# Altium PCB PCB1.PcbDoc
Units mil, origin at the board's own origin, x right, y up, seen from the top; angles counter-clockwise.
Board outline 4000.03 x 4245.03 mil, 2 copper layers (Top Layer, Bottom Layer); 64 components, 62 nets, 248 pads, 35 vias.
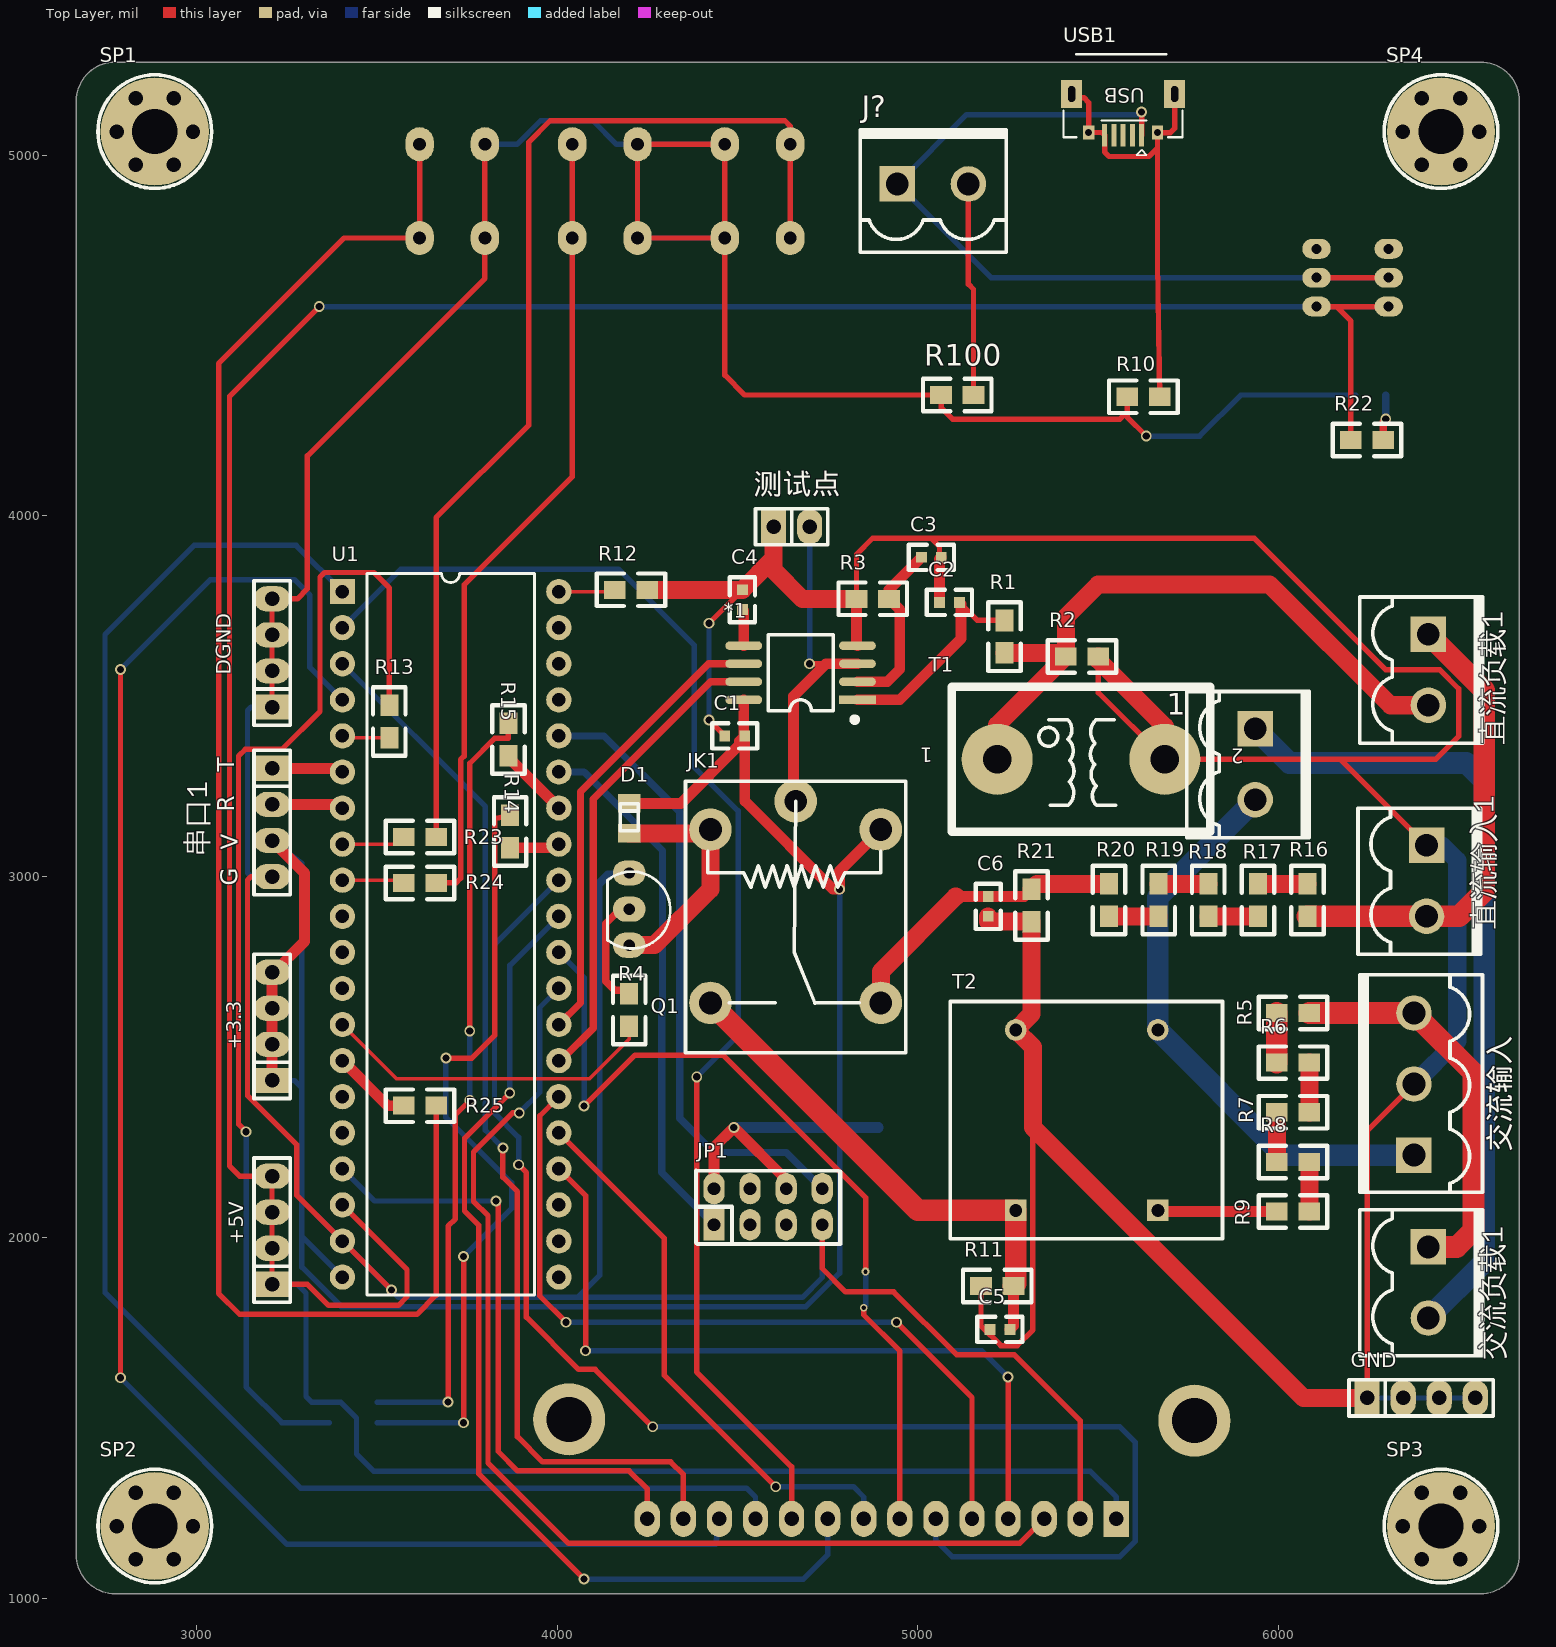
[diagram p0: Top Layer view]
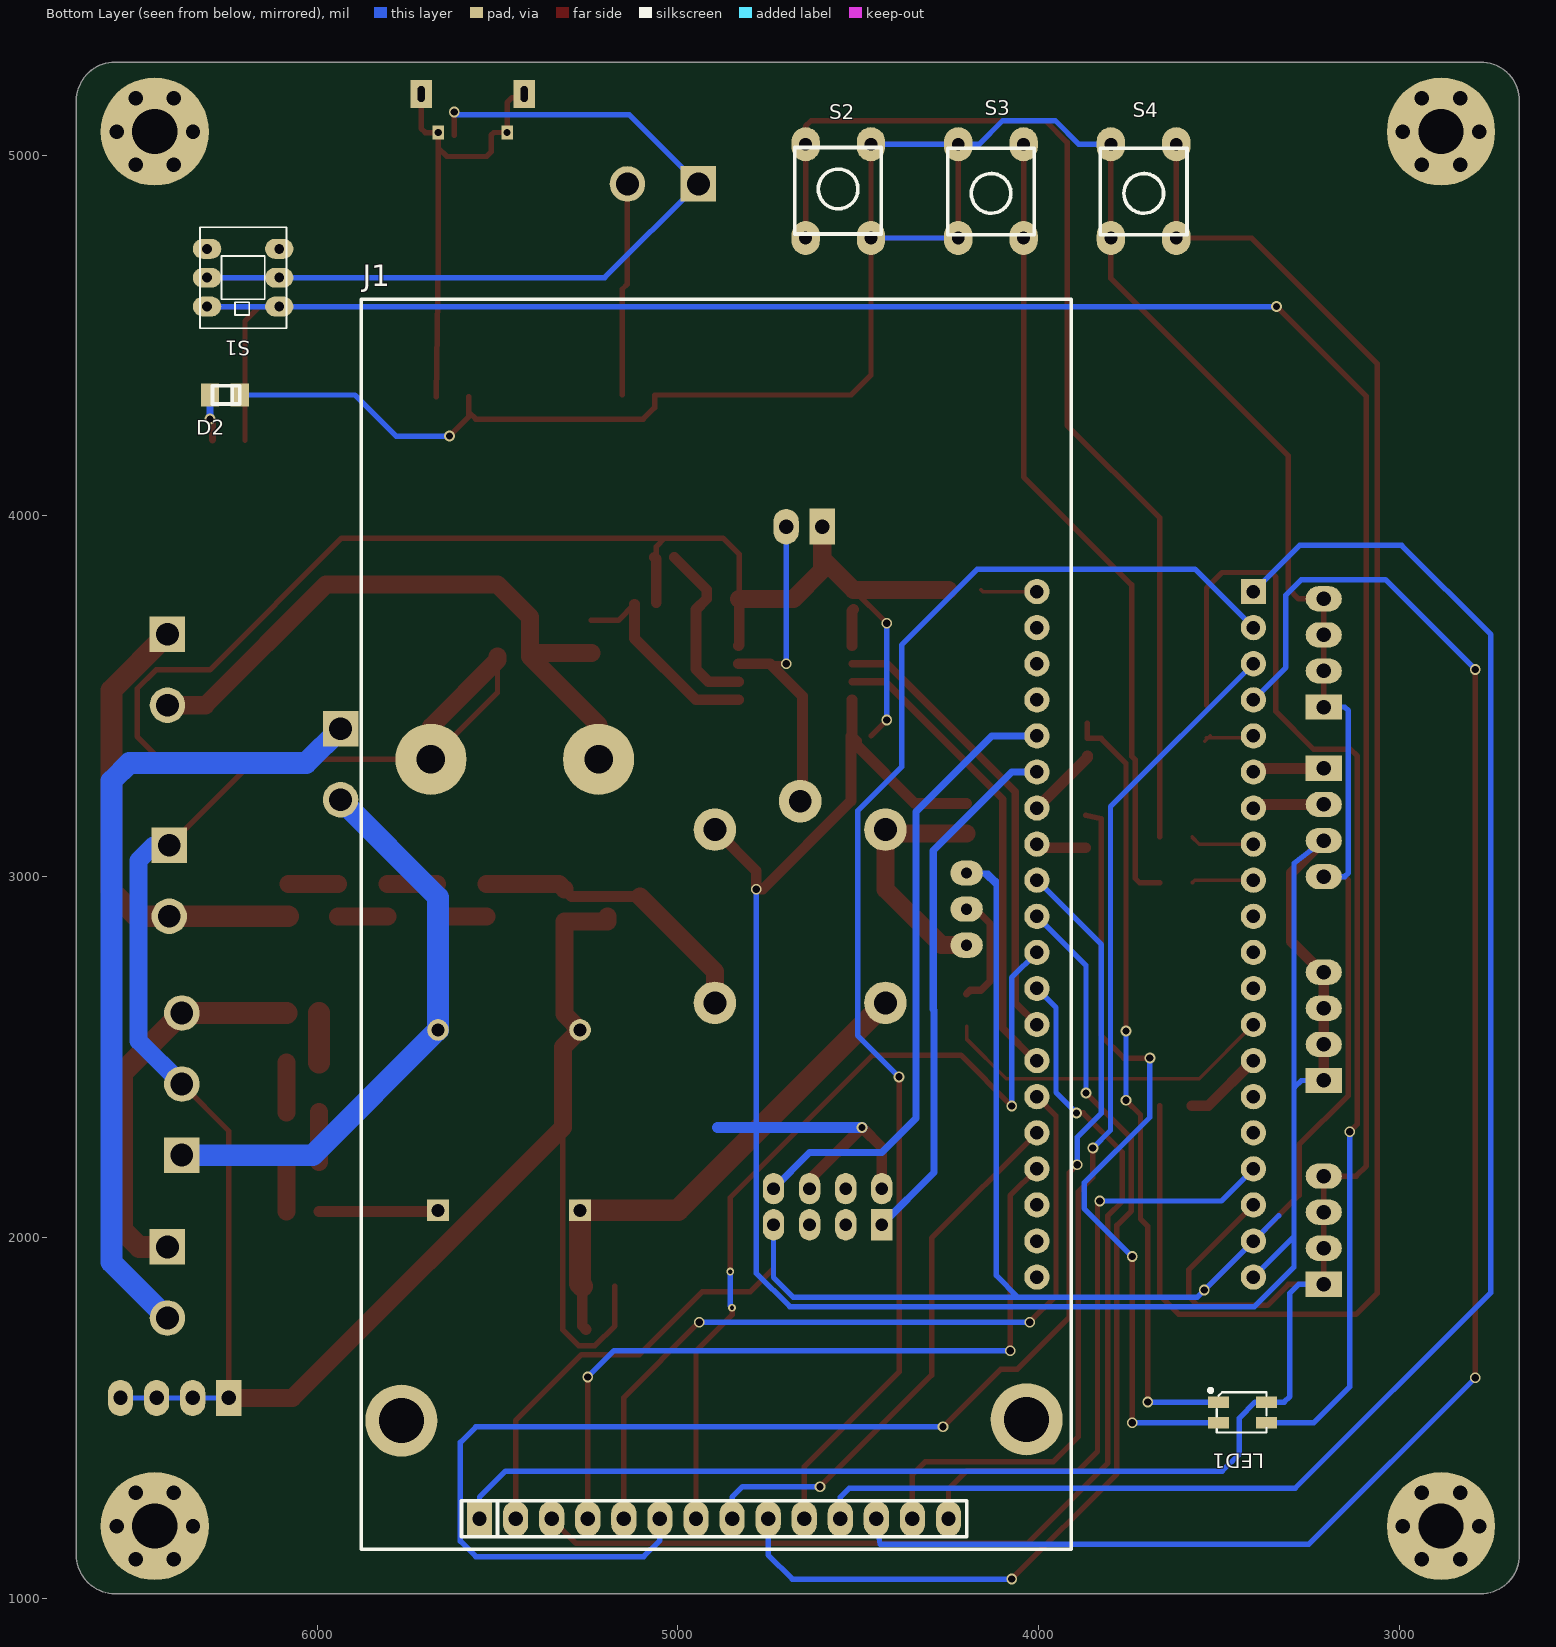
[diagram p1: Bottom Layer view, seen from below]

## Layer stack, top to bottom
Top Solder: solder mask 0.4, Solder Resist, Dk 3.5
Top Layer: signal copper 1.4
Dielectric 1: dielectric 12.6, FR-4, Dk 4.8
Bottom Layer: signal copper 1.4
Bottom Solder: solder mask 0.4, Solder Resist, Dk 3.5

## Board outline
2667.49,1120 2667.49,5150 cw(c2775,5150) 2775,5257.52 6560,5257.52 cw(c6560,5150) 6667.52,5150 6667.52,1120 cw(c6560,1120) 6560,1012.49 2775,1012.49 cw(c2775,1120)

## Design rules (kind name [scope] priority, off if disabled: settings)
Clearance [All] p1: gap=10 ignorepadtopadclearanceinfootprint=FALSE except(0: Arc-Hole Track-Hole SMDPad-Hole THPad-Hole Via-Hole Fill-Hole Poly-Hole Region-Hole Text-Hole)
PolygonConnect [All] p1: connectstyle=Relief reliefconductorwidth=10 reliefentries=4 polygonreliefangle="90 Angle" airgapwidth=10
RoutingVias [All] p1: holewidth=28 width=50 viastyle="Through Hole" minholewidth=28 minwidth=50 maxholewidth=28 maxwidth=50
SolderMaskExpansion [All] p1: expansion=4
Width [All] p1: maxlimit=100 minlimit=10 preferedwidth=15
30 further rules are at their usual default settings.

## Components (designator, comment, footprint, x,y, rotation, side; value= is the part's Value field where it differs from the comment)
1 "导线" KF2EDGK5.0-LI-2P 5935,3311.57 r270 top
*1 "HLW8110" SOP8W_M 4675,3565 r180 top
+3.3 "CON4" sip-4 3210,2435 r90 top
+5V "CON4" sip-4 3210,1870 r90 top
C1 "0.1uf" 0603 4465,3390 r0 top
C2 "330nf" 0603 5115,3760 r180 top
C3 "330nf" 0603 5065,3885 r180 top
C4 "0.1uf" 0603 4513.78,3740 r90 top
C5 "33nf" 0603 5255,1745 r180 top
C6 "33nf" 0603 5195,2945 r270 top
D1 "1N4007" LED_0805 4200,3162 r90 top
D2 "LED" LED_0805 6255,4335 r180 bottom
DGND "CON4" sip-4 3210,3470 r90 top
GND "CON4" sip-4 6245,1555 r0 top
J1 "CON14" 2.8_LCD 4894.33,2535.91 r180 bottom
J? "CON2" KF2EDGK5.0-LI-2P 5041.57,4920 r0 top
JK1 "SRD-05VDC-SL-C" SRD-C_B 4897.44,3130.32 r270 top
JP1 "HEADER 4X2" IDC-8 4435,2035 r0 top
LED1 "RGB-3528" "LED 3528-4Pin" 3435,1515 r180 bottom
Q1 "SS8050" TO92A 4200,3010 r0 top
R1 "100R" 0805 5240,3620 r90 top
R2 "10R" 0805 5500,3610 r180 top
R3 "100R" 0805 4830,3770 r0 top
R4 "510" 0805 4200,2585 r90 top
R5 "20k" 0805 6085,2621.85 r180 top
R6 "20k" 0805 5995,2484.35 r0 top
R7 "20k" 0805 6085,2346.85 r180 top
R8 "20k" 0805 5995,2209.35 r0 top
R9 "20k" 0805 6085,2071.85 r180 top
R10 "0R" 0805 5580,4330 r0 top
R11 "100R" 0805 5175,1865 r0 top
R12 "0R" 0805 4250,3795 r180 top
R13 "510" 0805 3535,3385 r90 top
R14 "510" 0805 3870,3080 r90 top
R15 "310" 0805 3865,3335 r90 top
R16 "20K" 0805 6080,2890 r90 top
R17 "20K" 0805 5942.5,2980 r270 top
R18 "20K" 0805 5805,2890 r90 top
R19 "20K" 0805 5667.5,2980 r270 top
R20 "20K" 0805 5530,2890 r90 top
R21 "1k" 0805 5315,2875 r90 top
R22 "510" 0805 6200,4210 r0 top
R23 "510" 0805 3575,3110 r0 top
R24 "510" 0805 3575,2982.5 r0 top
R25 "510" 0805 3575,2365 r0 top
R100 "0R" 0805 5064.33,4335 r0 top
S1 "SW-DPDT" SWH7*7 6105,4740 r270 bottom
S2 "SW-PB" SW6*6 4646.1,4770 r90 bottom
S3 "SW-PB" SW6*6 4041.95,5029.84 r270 bottom
S4 "SW-PB" SW6*6 3618.9,5029.84 r270 bottom
SP1 "M3铜柱" M3x4+6_N 2885,5065 r0 top
SP2 "M3铜柱" M3x4+6_N 2885,1200 r0 top
SP3 "M3铜柱" M3x4+6_N 6450,1200 r0 top
SP4 "M3铜柱" M3x4+6_N 6450,5065 r0 top
T1 "Current transformer" ZMCT103E 5220,3325 r180 top
T2 "DA101C" ZMPT101B 5468.15,2325 r180 top
U1 "STM32F103C8T6核心板" STM32F103C8T6核心板 3810,2850 r0 top
USB1 "USB-5P" USB-MICRO_A 5568.82,5169.17 r180 top
串口1 "CON4" sip-4 3210,3300 r270 top
交流负载1 "负载" KF2EDGK5.0-LI-2P 6415,1875 r270 top
交流输入 "CON3" KF2EDGK5.0-LI-3P 6375,2425 r90 top
测试点 "测量点" sip-2 4600,3970 r0 top
直流负载1 "负载" KF2EDGK5.0-LI-2P 6415,3573.43 r270 top
直流输入1 "DC-IN" KF2EDGK5.0-LI-2P 6410,2988.43 r270 top

## Footprints (in the part's own frame and the unit in brackets; to place one, negate y for a bottom-side part, rotate by r counter-clockwise, add the part's x,y. Pads: shape width x height; smd on the part's side, far side on the other; paste and mask are expansions set on the pad)
2.8_LCD [mil]
  round 200 hole 125: 0(-872.2,-1043.82) 0(860.87,-1040.31)
  oval 70x100 hole 40: 1(644.33,-1315.91) 2(544.33,-1315.91) 3(444.33,-1315.91) 4(344.33,-1315.91) 5(244.33,-1315.91) 6(144.33,-1315.91) 7(44.33,-1315.91) 8(-55.67,-1315.91) 9(-155.67,-1315.91) 10(-255.67,-1315.91) 11(-355.67,-1315.91) 12(-455.67,-1315.91) 13(-555.67,-1315.91)
  rect 70x100 hole 40: 14(-655.67,-1315.91)
  silkscreen extent -984,-1400 985,2065, body extent -978,-1141 967,-948, height 159
0603 [mil]
  rect 30x30 smd: 1(0,0) 2(55,0)
  silkscreen extent -35,-35 90,35
0805 [mil]
  rect 60x50 smd: 1(0,0) 2(90,0)
  silkscreen extent -50,-45 140,45
IDC-8 [mm]
  rect 1.5x2.2 hole 0.9: 1(0,0)
  oval 1.5x2.2 hole 0.9: 2(0,2.54) 3(2.54,0) 4(2.54,2.54) 5(5.08,0) 6(5.08,2.54) 7(7.62,0) 8(7.62,2.54)
  silkscreen extent -1.27,-1.36 8.88,3.81
KF2EDGK5.0-LI-2P [mm] "立插端子                  淘宝ID:黄晶宝石"
  rect 2.5x2.5 hole 1.6: 1(-2.5,0)
  round 2.5 hole 1.6: 2(2.5,0)
  silkscreen extent -5.12,-4.83 5.17,3.81, body extent -5.04,-4.75 5.04,3.75, height 11.25
KF2EDGK5.0-LI-3P [mm] "立插端子"
  rect 2.5x2.5 hole 1.6: 1(-5,0)
  round 2.5 hole 1.6: 2(0,0) 3(5,0)
  silkscreen extent -7.62,-4.83 7.7,3.81, body extent -7.54,-4.75 7.54,3.75, height 11.25
"LED 3528-4Pin" [mm] "4脚，3528LED                             淘宝ID:黄晶宝石"
  rect 1.5x0.8 smd: 1(-1.689,0.725) 2(-1.689,-0.725) 3(1.689,-0.725) 4(1.689,0.725)
  silkscreen extent -2.37,-1.42 1.69,1.68, body extent -1.19,-1.19 1.2,1.19, height 1.95
LED_0805 [mm]
  rect 1.3x1.6 smd: 1(-1.067,0) 2(1.041,0)
  silkscreen extent -0.89,-0.64 1.02,0.64
M3x4+6_N [mil] "M3铜柱，长：4mm，螺纹长：6mm"
  round 40 hole 40: 1(-106,0) 1(-53,-91.8) 1(-53,91.8) 1(53,-91.8) 1(53,91.8) 1(106,0)
  round 300 hole 125: 1(0,0)
  silkscreen extent -157,-157 157,157, body extent -106,-93 106,93, height 159
sip-2 [mil]
  rect 70x100 hole 40: 1(0,0)
  oval 70x98.42 hole 40: 2(100,0)
  silkscreen extent -50,-50 150,50
sip-4 [mil]
  rect 70x100 hole 40: 1(0,0)
  oval 70x100 hole 40: 2(100,0) 3(200,0) 4(300,0)
  silkscreen extent -50,-50 350,50
SOP8W_M [mm] "5.3*8.3*1.8mm（长宽高）  淘宝ID:黄晶宝石"
  rect 2.6x0.6 smd: 1(-4,1.905)
  oval 2.6x0.6 smd: 2(-4,0.635) 3(-4,-0.635) 4(-4,-1.905) 5(4,-1.905) 6(4,-0.635) 7(4,0.635) 8(4,1.905)
  silkscreen extent -3.94,-2.67 2.29,3.43, body extent -3.94,-2.64 3.94,2.64, height 1.9
SRD-C_B [mm] "单刀双投                  淘宝ID:黄晶宝石"
  round 3 hole 1.6: 1(0,0) 2(0,-12) 3(-2,-6) 4(12.2,0) 5(12.2,-12)
  silkscreen extent -3.4,-13.75 15.7,1.75, body extent -3.4,-13.75 15.7,1.75, height 15.6
STM32F103C8T6核心板 [mil]
  round 70 hole 37.4: 1(195,940) 2(195,840) 3(195,740) 4(195,640) 5(195,540) 6(195,440) 7(195,340) 8(195,240) 9(195,140) 10(195,40) 11(195,-60) 12(195,-160) 13(195,-260) 14(195,-360) 15(195,-460) 16(195,-560) 17(195,-660) 18(195,-760) 19(195,-860) 20(195,-960) 21(-405,-960) 22(-405,-860) 23(-405,-760) 24(-405,-660) 25(-405,-560) 26(-405,-460) 27(-405,-360) 28(-405,-260) 29(-405,-160) 30(-405,-60) 31(-405,40) 32(-405,140) 33(-405,240) 34(-405,340) 35(-405,440) 36(-405,540) 37(-405,640) 38(-405,740) 39(-405,840)
  rect 70x70 hole 37.4: 40(-405,940)
  silkscreen extent -337,-1010 127,990
SW6*6 [mm]
  oval 2.4x2 hole 0.9: 1(0,0) 1(6.6,0) 2(0,-4.6) 2(6.6,-4.6)
  silkscreen extent 0.28,-5.34 6.38,0.76
SWH7*7 [mm]
  oval 1.4x2 hole 0.7: 1(0,0) 2(2.032,0) 3(4.064,0) 4(4.064,-5.08) 5(2.032,-5.08) 6(0,-5.08)
  silkscreen extent -1.52,-5.59 5.59,0.51
TO92A [mil]
  oval 90x70 hole 31.5: 1(0,0) 2(0,-100) 3(0,-200)
  silkscreen extent -60,-209 114,4
USB-MICRO_A [mm] "micro型USB ，5.7*7.8*2.5mm"
  rect 0.35x1.6 smd: 1(-1.3,2.9) 2(-0.65,2.9) 3(0,2.9) 4(0.65,2.9) 5(1.3,2.9)
  rect 1.5x2 hole 0.5 slot 1.1 at 90 deg: 5(-3.625,0) 5(3.625,0)
  rect 0.8x1 hole 0.5: 5(-2.425,2.71) 5(2.425,2.71)
  silkscreen extent -4.19,-2.79 4.19,4.3, body extent -4,-2.71 4,2.89, height 2.8
ZMCT103E [mm] "102mm*182mm"
  round 5 hole 2: 1(0,0) 2(-11.8,0)
  silkscreen extent -15,-5.1 3.2,5.1
ZMPT101B [mil]
  rect 60x60 hole 35.98: 1(-196.85,250) 3(196.85,250)
  round 60 hole 35.98: 2(-196.85,-250) 4(196.85,-250)
  silkscreen extent -376,-329 378,329

## Part data
1 R1 R2 R3 R4 R5 R6 R7 R8 R9 R10 R11 R12 R13 R14 R15 R16 R17 R18 R19 R20 R21 R22 R23 R24 R25 R100 交流负载1 直流负载1: library part RES, "电阻"
+3.3 +5V DGND GND J1 J? 串口1 交流输入: "Connector"
C1 C2 C3 C4 C5 C6: library part CAP1
D1: library part DIODE
JK1: "5V一组转换"
LED1: library part "LED-RGB 3528", "3528三基色LED"
Q1: library part 8050-DIP, "高频放大-NPN型", BOM名称=高频放大, 学习资源=https://shop463601444.taobao., 属性="40V 1.5A 1W 100MH", 版权归属=封装库来自淘
SP1 SP2 SP3 SP4: library part 铜柱加头大焊盘, "铜柱"
T2: library part DA10XC, "数字隔离变压器", ROM名称=数字隔, 学习资源=www.ooocke.
USB1: "微型USB母座"
测试点 直流输入1: library part CON2, "Connector"

## Via types
v1: diameter 30, hole 20, Top Layer to Bottom Layer, 26 vias
v2: diameter 30, hole 20, Top Layer to Bottom Layer, tented both sides, 7 vias
v3: diameter 22, hole 12, Top Layer to Bottom Layer, 2 vias

## Nets (pads, with @x,y where several pads share a name; then routed paths per layer and width w, separated by ;. In a path a pad name is that pad's centre, name@x,y a point inside that pad or via, vN(x,y) a via of type N, cw(c..) or ccw(c..) an arc to the next point about the centre after c; other vN are vias at no path point)
+3.3V: *1.8 +3.3.1 +3.3.2 +3.3.3 +3.3.4 C1.2 D1.2 JK1.1 JP1.2 JP1.6 U1.21 串口1.3 | length 6938.3
  Top Layer w30: +3.3.1 +3.3.2 +3.3.3 +3.3.4 3215,2735 3300,2820 3300,3010 串口1.3 ; D1.2 4343.36,3203 4505,3364.64 4505,3375 C1.2 ; JP1.2 4435,2250 v2(4490,2305) 4635,2160 JP1.6 ; *1.8 4517.52,3392.48 C1.2 ; JK1.1 4783,3015.87 v2(4783,2965) 4765,2965 4520,3210 C1.2
  Bottom Layer w15: +3.3.1 3272,2435 3292,2415 ; 串口1.3 3292.5,3037.5 3292.5,2002.5 ; U1.21 3292.5,2002.5 ; v2(4783,2965) 4783,1901 4690,1808 3402,1808 3292.5,1917.5 3292.5,2002.5
  Bottom Layer w30: v2(4490,2305) 4890,2305
+5V: +5V.1 +5V.2 +5V.3 +5V.4 J1.14 LED1.4 R22.1 S1.3 S1.4 U1.23 | length 10072.6
  Top Layer w15: v1(3341,4580) 3092,4331 3092,2198 3120,2170 +5V.4 +5V.3 +5V.2 +5V.1 3308,1870 3366.5,1811.5 3560,1811.5 3584,1835.5 3584,1911 U1.23 ; S1.3 6160,4580 ; R22.1 6200,4540 6160,4580 ; S1.4 6160,4580
  Bottom Layer w15: +5V.1 3280,1870 3304,1846 3304,1559.54 3320,1543.54 LED1.4 3400,1543.54 3444,1499.54 3444,1400 3491.59,1352.41 5477.59,1352.41 5550,1280 J1.14 ; v1(3341,4580) S1.3 S1.4
AC_C: C5.1 JK1.5 R11.2 T2.3 | length 1421.2
  Top Layer w30: C5.1 5265,1755 R11.2
  Top Layer w60: JK1.5 5000,2075 T2.3 5271.3,1871.3 R11.2
connect_1: R1.1 R2.2 T1.1 直流负载1.2 | length 1828.9
  Top Layer w50: T1.1 5220,3420 R2.2 ; R1.1 5400,3620 R2.2 ; 直流负载1.2 6310,3475 5975,3810 5500,3810 5410,3720 R2.2
CS: J1.12 U1.12 | length 3102.1
  Top Layer w15: v1(3895,2345) 3876.79,2345 3768.5,2236.71 3768.5,2100.13 3808.5,2060.13 3808.5,1375.22 4031.72,1152 5282,1152 J1.12
  Bottom Layer w15: v1(3895,2345) 3952,2402 3952,2637 U1.12
DC: J1.10 U1.15 | length 2224.8
  Top Layer w15: U1.15 3952,2337 3952,1838 v1(4025,1765) ; v1(4941,1765) 5150,1556 J1.10
  Bottom Layer w15: v1(4025,1765) v1(4941,1765)
DC_C: C6.1 JK1.4 R20.2 R21.2 | length 820.5
  Top Layer w30: 5105,2945 C6.1 5295,2945 R21.2
  Top Layer w50: JK1.4 4897.44,2737.44 5105,2945 ; R21.2 5330,2980 R20.2
DGND: D2.2 DGND.1 DGND.2 DGND.3 DGND.4 J1.13 JP1.7 Q1.1 R10.1 R100.1 S2.2 S3.2 S4.2 U1.22 串口1.4 | length 13677.1
  Top Layer w15: 串口1.4 3152,3000 3142,2990 3142,2393 3278,2257 3278,2117 U1.22 v1(3541,1854) ; DGND.1 DGND.2 DGND.3 DGND.4 3280,3770 3308,3798 3308,4166 3800,4658 3800,4770 S4.2@3800,5029.84 ; JP1.7 4735,1914 4800,1849 4933,1849 5107,1675 5267,1675 5450,1492 J1.13 ; R10.1 5580,4288 ; v1(5633,4221) 5580,4274 5580,4288 ; S2.2@4465,4770 4223.05,4770 4223.05,5029.84 4465,5029.84 S2.2@4465,4770 ; S2.2@4465,4770 4465,4390 4520,4335 R100.1 5064.33,4300 5096.33,4268 5560,4268 5580,4288
  Bottom Layer w15: 串口1.4 3152,3000 3142,3010 3142,3460 3152,3470 DGND.1 ; 3335,2060 U1.22 ; S4.2@3800,5029.84 3888.84,5029.84 3954,5095 4099.84,5095 4165,5029.84 4223.05,5029.84 S2.2@4465,5029.84 ; Q1.1 4152.5,3010 ; S3.2@4223.05,4770 S2.2@4465,4770 ; JP1.7 4735,1889 4680,1834 4057,1834 ; v1(5633,4221) 5781,4221 5895,4335 D2.2 ; U1.22 3561,1834 ; U1.22 v1(3541,1854) 3561,1834 ; 3561,1834 4057,1834 ; 4057,1834 4117.5,1894.5 ; 4117.5,1894.5 4118,1895 4118,2988 4140,3010 4152.5,3010 ; 4117.5,1894.5 4117.5,2975 4152.5,3010
GND: *1.4 C1.1 C2.2 C3.1 C4.2 C5.2 C6.2 GND.1 GND.2 GND.3 GND.4 R2.1 R3.1 R11.1 R12.1 R21.1 T1.2 T2.4 交流输入.2 测试点.1 直流输入1.1 | length 10544.7
  Top Layer w15: v2(4421,3434) C1.1 ; v2(4421,3702.22) C4.2 ; R3.1 4830,3893 4875,3938 5037,3938 ; C2.2 5060,3880 5060,3915 5037,3938 ; R11.1 5175,1770 5175,1755 5230,1700 5275,1700 5319,1744 5319,2326 ; R2.1 5500,3600 5500,3510 5684.57,3325.43 T1.2@5685,3325 ; T1.2 T1.2@5685,3325 ; GND.1 6245,1936 6245,2295 交流输入.2 ; 直流输入1.1 6171.85,3325 ; 5037,3938 5932,3938 6297,3573 6446.67,3573 6499,3520.67 6499,3389 6435,3325 6171.85,3325 ; T1.2@5685,3325 6171.85,3325
  Top Layer w30: R3.1 4830,3642.48 *1.4 ; C2.2 5060,3880 C3.1
  Top Layer w50: R12.1 C4.2 4600,3881.22 ; 测试点.1 4600,3881.22 ; R3.1 4679.64,3770 4600,3849.64 4600,3881.22 ; C6.2 5195,2875 R21.1 5315,2618.7 T2.4 5319,2527.3 5319,2326 5319,2305 6069,1555 GND.1 ; R2.1 5500,3600 5684.57,3415.43 T1.2
  Bottom Layer w15: v2(4421,3434) v2(4421,3702.22) ; GND.1 GND.2 GND.3 GND.4
  Bottom Layer w50: 交流输入.2 6495,2545 6495,3045 6453.15,3086.85 直流输入1.1
L: R5.1 交流负载1.1 交流输入.3 | length 1104.5
  Top Layer w60: R5.1 交流输入.3 6540,2456.85 6540,2020 6493.43,1973.43 交流负载1.1
LED_BACK: J1.7 U1.16 | length 1546
  Top Layer w15: U1.16 4297,1998 4297,1618 v1(4606,1309)
  Bottom Layer w15: v1(4606,1309) 4821,1309 4850,1280 J1.7
MISO: J1.6 U1.10 | length 2885.4
  Top Layer w15: v1(3869,2400) 3743.5,2274.5 3743.5,2073.5 3783.5,2033.5 3783.5,1344.5 v1(4075,1053)
  Bottom Layer w15: v1(3869,2400) 3869,2754 U1.10 ; v1(4075,1053) 4683,1053 4750,1120 J1.6
MOSI: J1.9 U1.9 | length 4076.8
  Top Layer w15: v1(3893.5,2201.5) 3915,2180 3915,1779 4059.78,1634.23 4105.77,1634.23 v1(4265,1475)
  Bottom Layer w15: v1(3893.5,2201.5) 3893.5,2277.46 3826.5,2344.46 3826.5,2811.5 U1.9 ; v1(4265,1475) 5560,1475 5603,1432 5603,1158 5560,1115 5095,1115 5050,1160 J1.9
N: 1.2 T2.2 交流输入.1 | length 1603.7
  Bottom Layer w60: 1.2 5665,2943.15 T2.2 6011.85,2228.15 交流输入.1
Net1_1: 1.1 交流负载1.2 | length 2247.7
  Bottom Layer w60: 1.1 6030,3315 6520,3315 6570,3265 6570,1931.57 交流负载1.2
Net*1_1: *1.1 C2.1 R1.2 | length 608.6
  Top Layer w15: R1.2 5165,3710 C2.1@5120,3755 ; C2.1@5120,3755 5115,3755 C2.1 C2.1@5120,3755
  Top Layer w30: *1.1 4950,3490 5120,3660 C2.1@5120,3755
Net*1_2: *1.2 C3.2 R3.2 | length 491.7
  Top Layer w30: *1.2 4915,3540 4950,3575 4950,3740 R3.2 4920,3795 C3.2
Net*1_3: *1.3 JK1.3 测试点.2 | length 1020.8
  Top Layer w15: v2(4700,3590) 4745,3590 *1.3
  Top Layer w30: JK1.3 4655,3215.28 4655,3500 4745,3590 *1.3
  Bottom Layer w15: v2(4700,3590) 测试点.2
Net*1_5: *1.5 C4.1 | length 101.5
  Top Layer w30: C4.1 4517.52,3736.26 *1.5
NetD1_1: D1.1 JK1.2 Q1.3 | length 683.8
  Top Layer w50: Q1.3 4270,2810 4425,2965 JK1.2 4414.69,3120 D1.1
NetD2_1: D2.1 R22.2 | length 132.1
  Top Layer w20: R22.2 6290,4261 v2(6297,4268)
  Bottom Layer w20: D2.1 v2(6297,4268) v2@6300,4265
NetJ?_2: J?.2 R100.2 | length 590.9
  Top Layer w15: J?.2 5140,4642.33 5154.33,4628 R100.2
NetLED1_1: LED1.1 R15.2 | length 2169.4
  Top Layer w15: v1(3698,1543.54) 3698,2031.5 3718,2051.5 3718,2340 v1(3758,2380) ; v1(3758,2572) 3758,3314 3827,3383 3865,3383 R15.2
  Bottom Layer w15: LED1.1 v1(3698,1543.54) ; v1(3758,2380) v1(3758,2572)
NetLED1_2: LED1.2 R14.2 | length 2185.8
  Top Layer w15: v1(3692,2497) 3764,2497 3827,2560 3827,3160 R14.2 ; v1(3741,1486.46) v1(3741,1947)
  Bottom Layer w15: LED1.2 v1(3741,1486.46) ; v1(3692,2497) 3692,2333 3874,2151 3874,2080 v1(3741,1947)
NetLED1_3: LED1.3 R13.2 | length 3218.3
  Top Layer w15: v1(3138,2293) 3117,2314 3117,3334 3136,3353 3238,3353 3343,3458 3343,3830 3356,3843 3492,3843 3535,3800 R13.2
  Bottom Layer w15: v1(3138,2293) 3138,1585.46 3237,1486.46 LED1.3
NetQ1_2: Q1.2 R4.2 | length 321.1
  Top Layer w20: R4.2 4190,2685 4160,2685 4135,2710 4135,2870 4175,2910 Q1.2
NetR5_2: R5.2 R6.1 | length 137.5
  Top Layer w60: R6.1 R5.2
NetR6_2: R6.2 R7.1 | length 137.5
  Top Layer w50: R7.1 R6.2
NetR7_2: R7.2 R8.1 | length 137.5
  Top Layer w50: R8.1 R7.2
NetR8_2: R8.2 R9.1 | length 137.5
  Top Layer w50: R9.1 R8.2
NetR9_2: R9.2 T2.1 | length 331.3
  Top Layer w30: T2.1 5668.15,2071.85 R9.2
NetR10_2: R10.2 USB1.5 | length 1282
  Top Layer w15: USB1.5@5426.1,5169.17 5426.1,5159 5460,5159 5473.35,5145.65 5473.35,5062.48 5510.16,5062.48 5517.64,5055 5517.64,5008.36 5530,4996 5640.29,4996 5664.29,5020 ; USB1.5@5664.29,5062.48 USB1.5@5664.29,5062 ; R10.2 5664.29,4701.71 5664.29,5020 ; USB1.5@5711.54,5169.17 5711.54,5073.54 5700,5062 USB1.5@5664.29,5062 ; 5664.29,5020 USB1.5@5664.29,5062
NetR12_2: R12.2 U1.1 | length 157.1
  Top Layer w10: U1.1 4155,3790 R12.2
NetR16_1: R16.1 直流负载1.1 直流输入1.2 | length 1295
  Top Layer w60: R16.1 直流输入1.2 6500,2890 6570,2960 6570,3516.85 直流负载1.1
NetR16_2: R16.2 R17.1 | length 137.5
  Top Layer w50: R17.1 R16.2
NetR17_2: R17.2 R18.1 | length 137.5
  Top Layer w50: R18.1 R17.2
NetR18_2: R18.2 R19.1 | length 137.5
  Top Layer w50: R19.1 R18.2
NetR19_2: R19.2 R20.1 | length 137.5
  Top Layer w50: R20.1 R19.2
NetR23_2: R23.2 S2.1 | length 3097.2
  Top Layer w15: R23.2 3665,3995 3921,4251 3921,5035 3981,5095 4631.1,5095 4646.1,5080 4646.1,5029.84 S2.1@4646.1,4770
NetR24_2: R24.2 S3.1 | length 2235.7
  Top Layer w15: R24.2 3720,2982.5 3733,2995.5 3733,3324.36 3742.5,3333.86 3742.5,3808.5 4041.95,4107.95 4041.95,4770 S3.1@4041.95,5029.84
NetR25_2: R25.2 S4.1 | length 4712.3
  Top Layer w15: S4.1@3618.9,5029.84 3618.9,4770 3410,4770 3062,4422 3062,1845 3120.5,1786.5 3611.5,1786.5 3665,1840 R25.2
PA11: R23.1 U1.33 | length 178.3
  Top Layer w10: U1.33 3555,3090 R23.1
PA12: R24.1 U1.32 | length 173.1
  Top Layer w10: U1.32 3567.5,2990 R24.1
PB5: R4.1 U1.28 | length 937.7
  Top Layer w10: U1.28 3555,2440 4090,2440 4200,2550 R4.1
PB6: R25.1 U1.27 | length 221.8
  Top Layer w30: U1.27 3530,2365 R25.1
Power_In: J?.1 S1.2 S1.5 USB1.1 | length 2492.8
  Top Layer w15: USB1.1 v1(5620,5119) ; S1.2 S1.5
  Bottom Layer w15: v1(5620,5119) 5613,5112 5135.15,5112 J?.1 5203.15,4660 S1.2 S1.5
RST: J1.11 U1.17 | length 2128.9
  Top Layer w15: U1.17 4079,2116 v1(4079,1686) ; J1.11 v1(5250,1613)
  Bottom Layer w15: v1(4079,1686) 5177,1686 v1(5250,1613)
RX_measure: *1.6 U1.13 | length 1269.4
  Top Layer w20: U1.13 4065,2650 4065,3235 4420,3590 *1.6
RX_PC: U1.34 串口1.2 | length 199.1
  Top Layer w30: 串口1.2 3395,3200 U1.34
RX_WIFI: JP1.8 U1.5 | length 1747.8
  Bottom Layer w20: U1.5 4130,3390 4340,3180 4340,2330 4435,2235 4635,2235 JP1.8
SCK: J1.8 U1.11 | length 2390.5
  Top Layer w15: v2(4075,2364) 4216,2505 4460,2505 4855,2110 v3(4855,1905) ; v3(4850,1805) 4850,1785 4950,1685 J1.8
  Bottom Layer w15: U1.11 4075,2720 v2(4075,2364) ; v3(4850,1805) 4855,1810 v3(4855,1905)
SPI2_MISO: J1.2 U1.38 | length 2969.4
  Top Layer w15: v1(3850,2248) 3850,2167 3890,2127 3890,1448 3960,1378 4315,1378 4350,1343 J1.2
  Bottom Layer w15: U1.38 3801,3194 3801,2297 v1(3850,2248)
SPI2_MOSI: J1.3 U1.37 | length 4849.3
  Top Layer w15: v1(2790,1611) v1(2790,3574)
  Bottom Layer w15: v1(2790,1611) 3252,1149 4440,1149 J1.3 ; v1(2790,3574) 3039,3823 3272,3823 3315,3780 3315,3580 U1.37
SPI2_NSS: J1.4 U1.40 | length 4735.2
  Bottom Layer w15: U1.40 3277,3918 2994,3918 2747,3671 2747,1847 3289,1305 4525,1305 4550,1280 J1.4
SPI2_SCK: J1.5 U1.39 | length 3758.2
  Top Layer w15: v1(4387,2445) 4387,1627 4650,1364 J1.5
  Bottom Layer w15: U1.39 3567,3852 4170,3852 4380,3642 4380,3304 4502,3182 4502,2560 v1(4387,2445)
TFT_PB9: J1.1 U1.24 | length 1698.5
  Top Layer w15: v1(3831,2101) 3837,2095 3837,1406.96 3890.96,1353 4200,1353 4250,1303 J1.1
  Bottom Layer w15: U1.24 3494,2101 v1(3831,2101)
TIM1_CH1: R13.1 U1.36 | length 156.8
  Top Layer w10: U1.36 3410,3385 R13.1@3530,3385 ; R13.1@3525,3390 R13.1@3530,3385 ; R13.1@3532.5,3382.5 R13.1@3530,3385 ; R13.1 R13.1@3530,3385 ; R13.1@3540,3375 R13.1@3530,3385
TIM3_TH3: R14.1 U1.8 | length 139.1
  Top Layer w30: R14.1 3995,3080 U1.8
TIM3_TH4: R15.1 U1.7 | length 203
  Top Layer w30: R15.1 3865,3330 U1.7
TX_measure: *1.7 U1.14 | length 1319.4
  Top Layer w20: U1.14 4010,2490 4100,2580 4100,3215 4425,3540 *1.7
TX_PC: U1.35 串口1.1 | length 199.1
  Top Layer w10: U1.35@3395,3300 U1.35
  Top Layer w30: 串口1.1 U1.35@3395,3300
TX_WIFI: JP1.1 U1.6 | length 1476.2
  Bottom Layer w20: U1.6 4075,3290 4292.5,3072.5 4292.5,2632.5 4290,2630 4290,2180 JP1.1
pads on no net: J1.0 JP1.3 JP1.4 JP1.5 S1.1 S1.6 SP1.1 SP2.1 SP3.1 SP4.1 U1.2 U1.3 U1.4 U1.18 U1.19 U1.20 U1.25 U1.26 U1.29 U1.30 U1.31 USB1.2 USB1.3 USB1.4

## Polygon pours and split planes (outlines as drawn)
GND on Bottom Layer "Bottom Layer-GND 1" (solid, remove dead copper, pour order 16): 4965,5170

## Silkscreen, mask and mechanical layers (free items; w line width, h text height)
Top Overlay:
  text "T" at 3120,3290 h80 r90
  text "R" at 3120,3180 h80 r90
  text "V" at 3130,3075 h80 r90
  text "G" at 3130,2975 h80 r90
Mechanical 1:
  lines w15: 2675,5050 2675,5150 cw(c2775,5150) 2775,5250 5655,5250 6560,5250 cw(c6560,5150) 6660,5150 6660,1245 6660,1120 cw(c6560,1120) 6560,1020 2895,1020 2775,1020 cw(c2775,1120) 2675,1120 2675,5060

## Text inside footprints (layer, text, board x,y; h text height)
T1: Top Overlay "1" at 5041.12,3357.7 h40 r180; Top Overlay "2" at 5902.8,3354.55 h40 r180
USB1: Top Overlay "USB" at 5628.82,5185 h40 r180